# KiCad board PANEL_DRY_ELEC_6CH_THIN.kicad_pcb
title: ELectrodes; date: 2023-12-25; rev: 1.0; company: Aightech
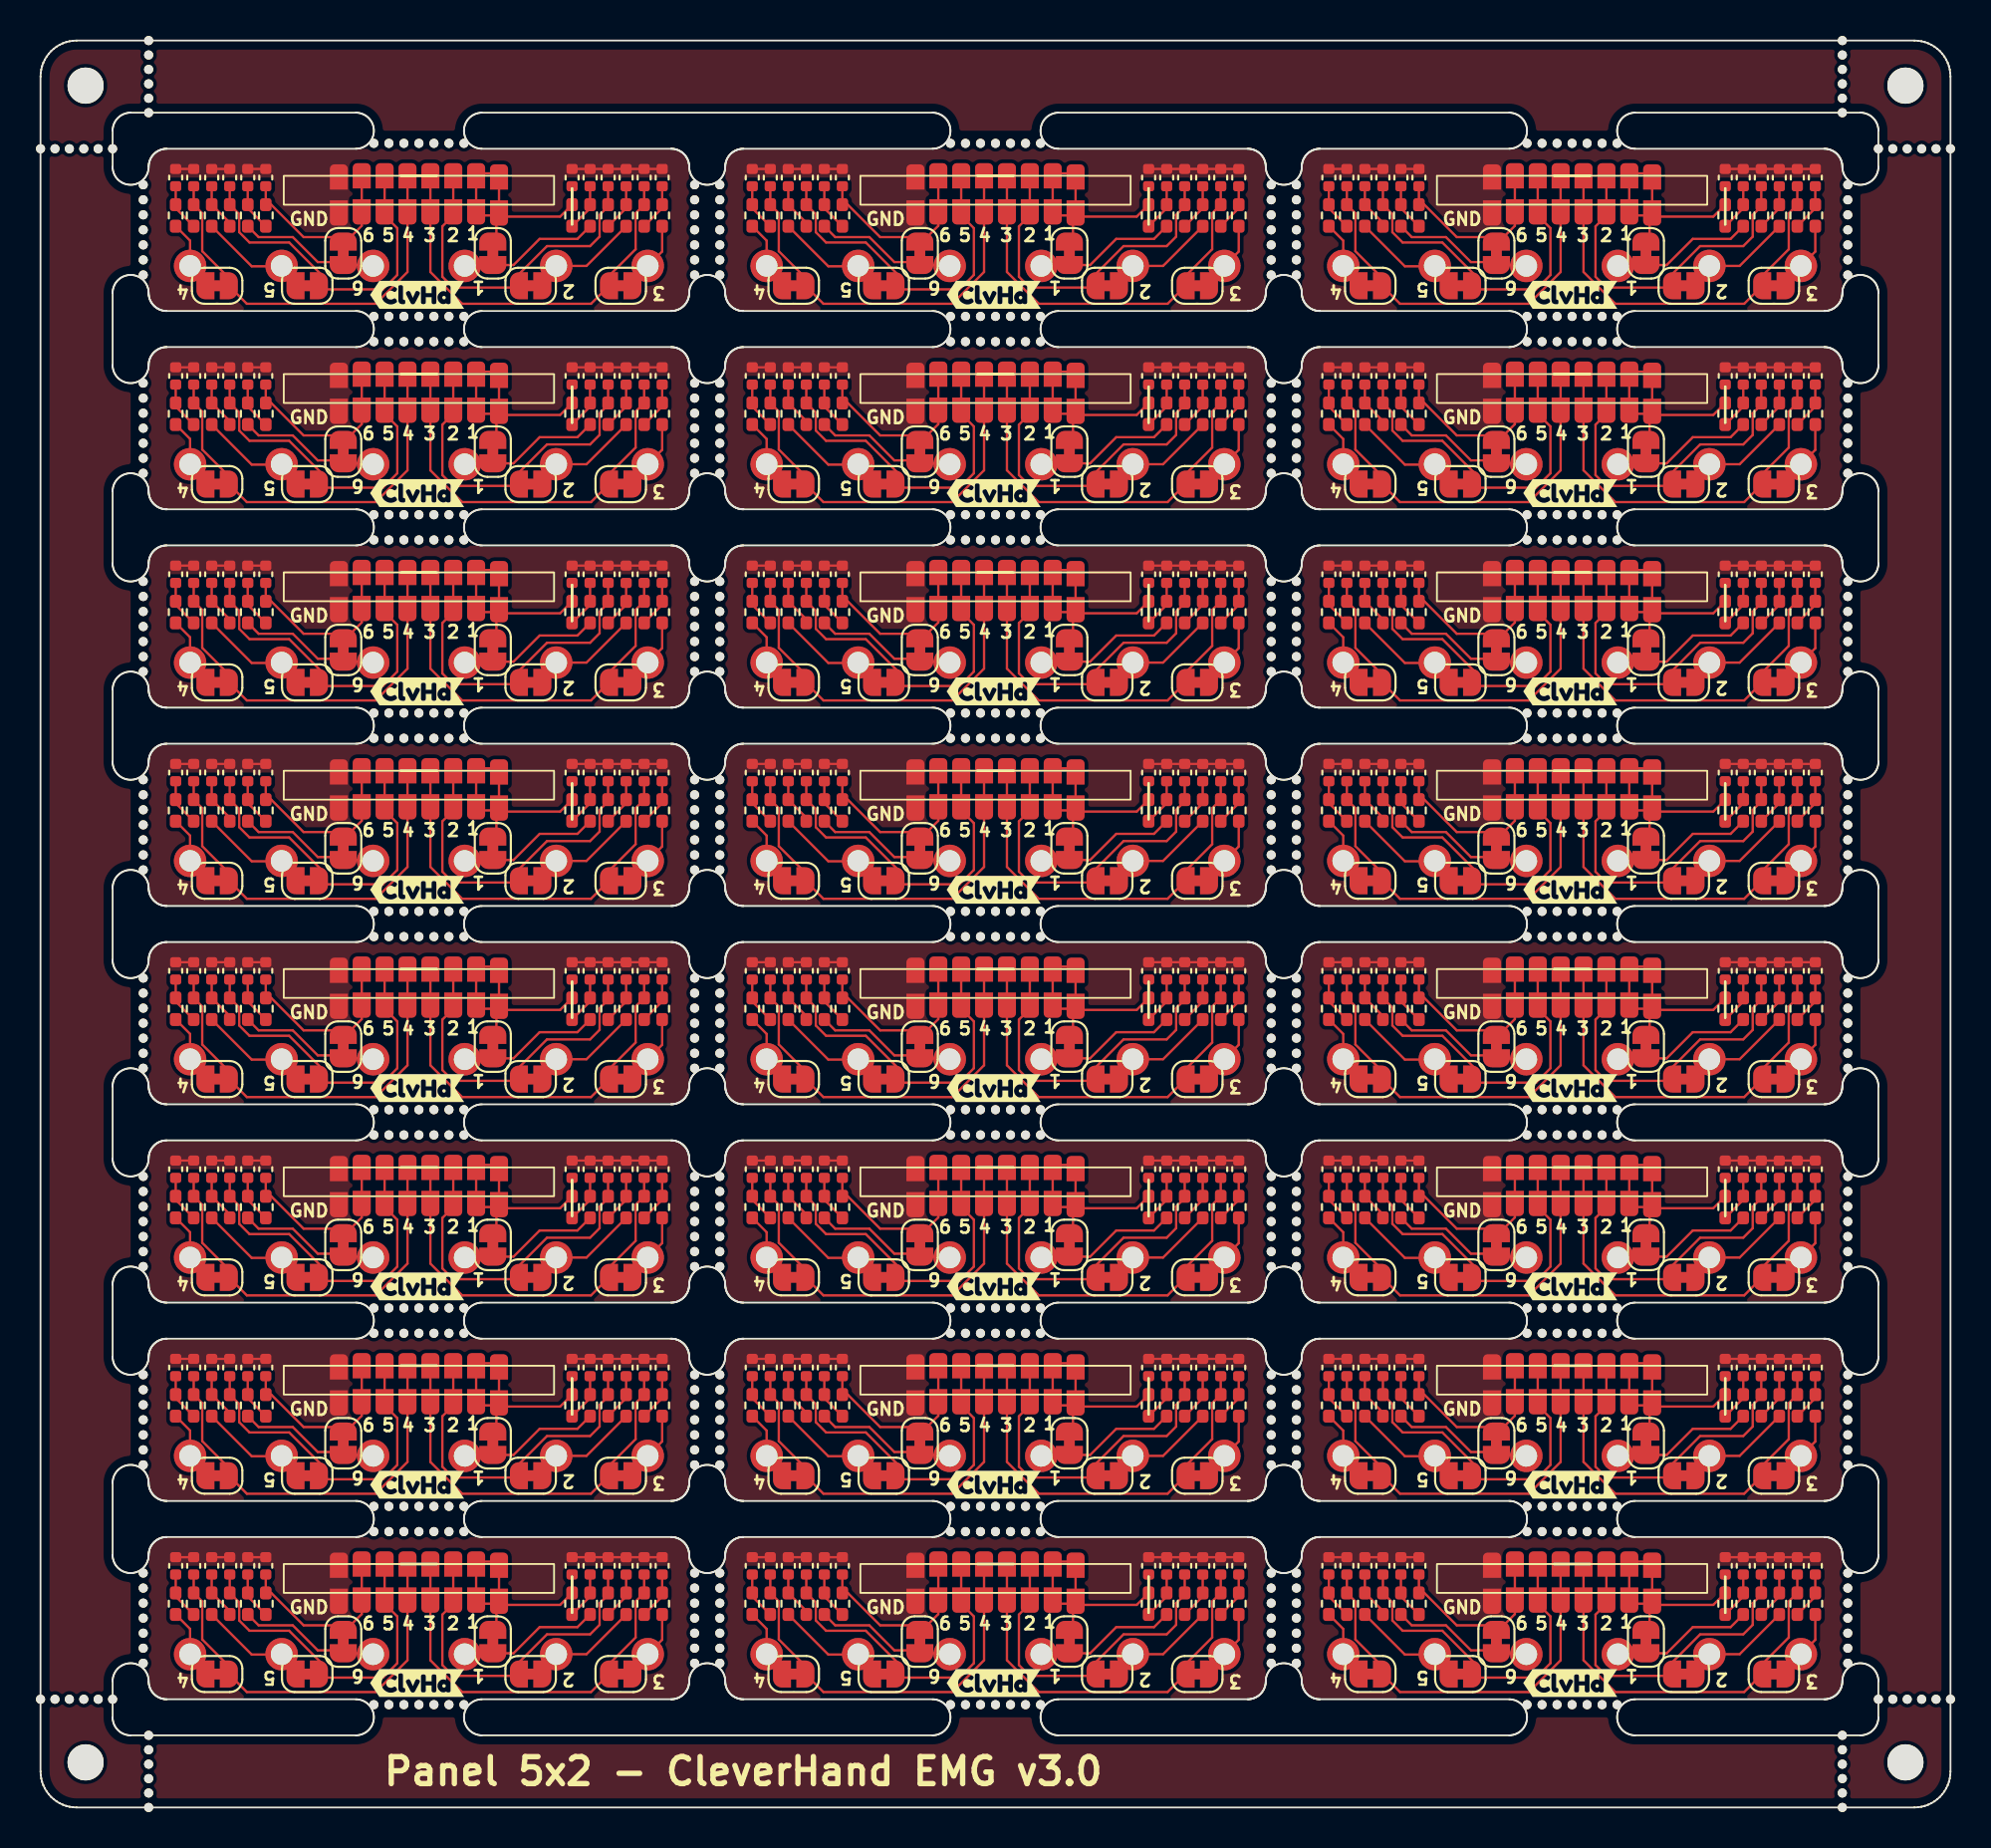
[diagram p0: board, top side]
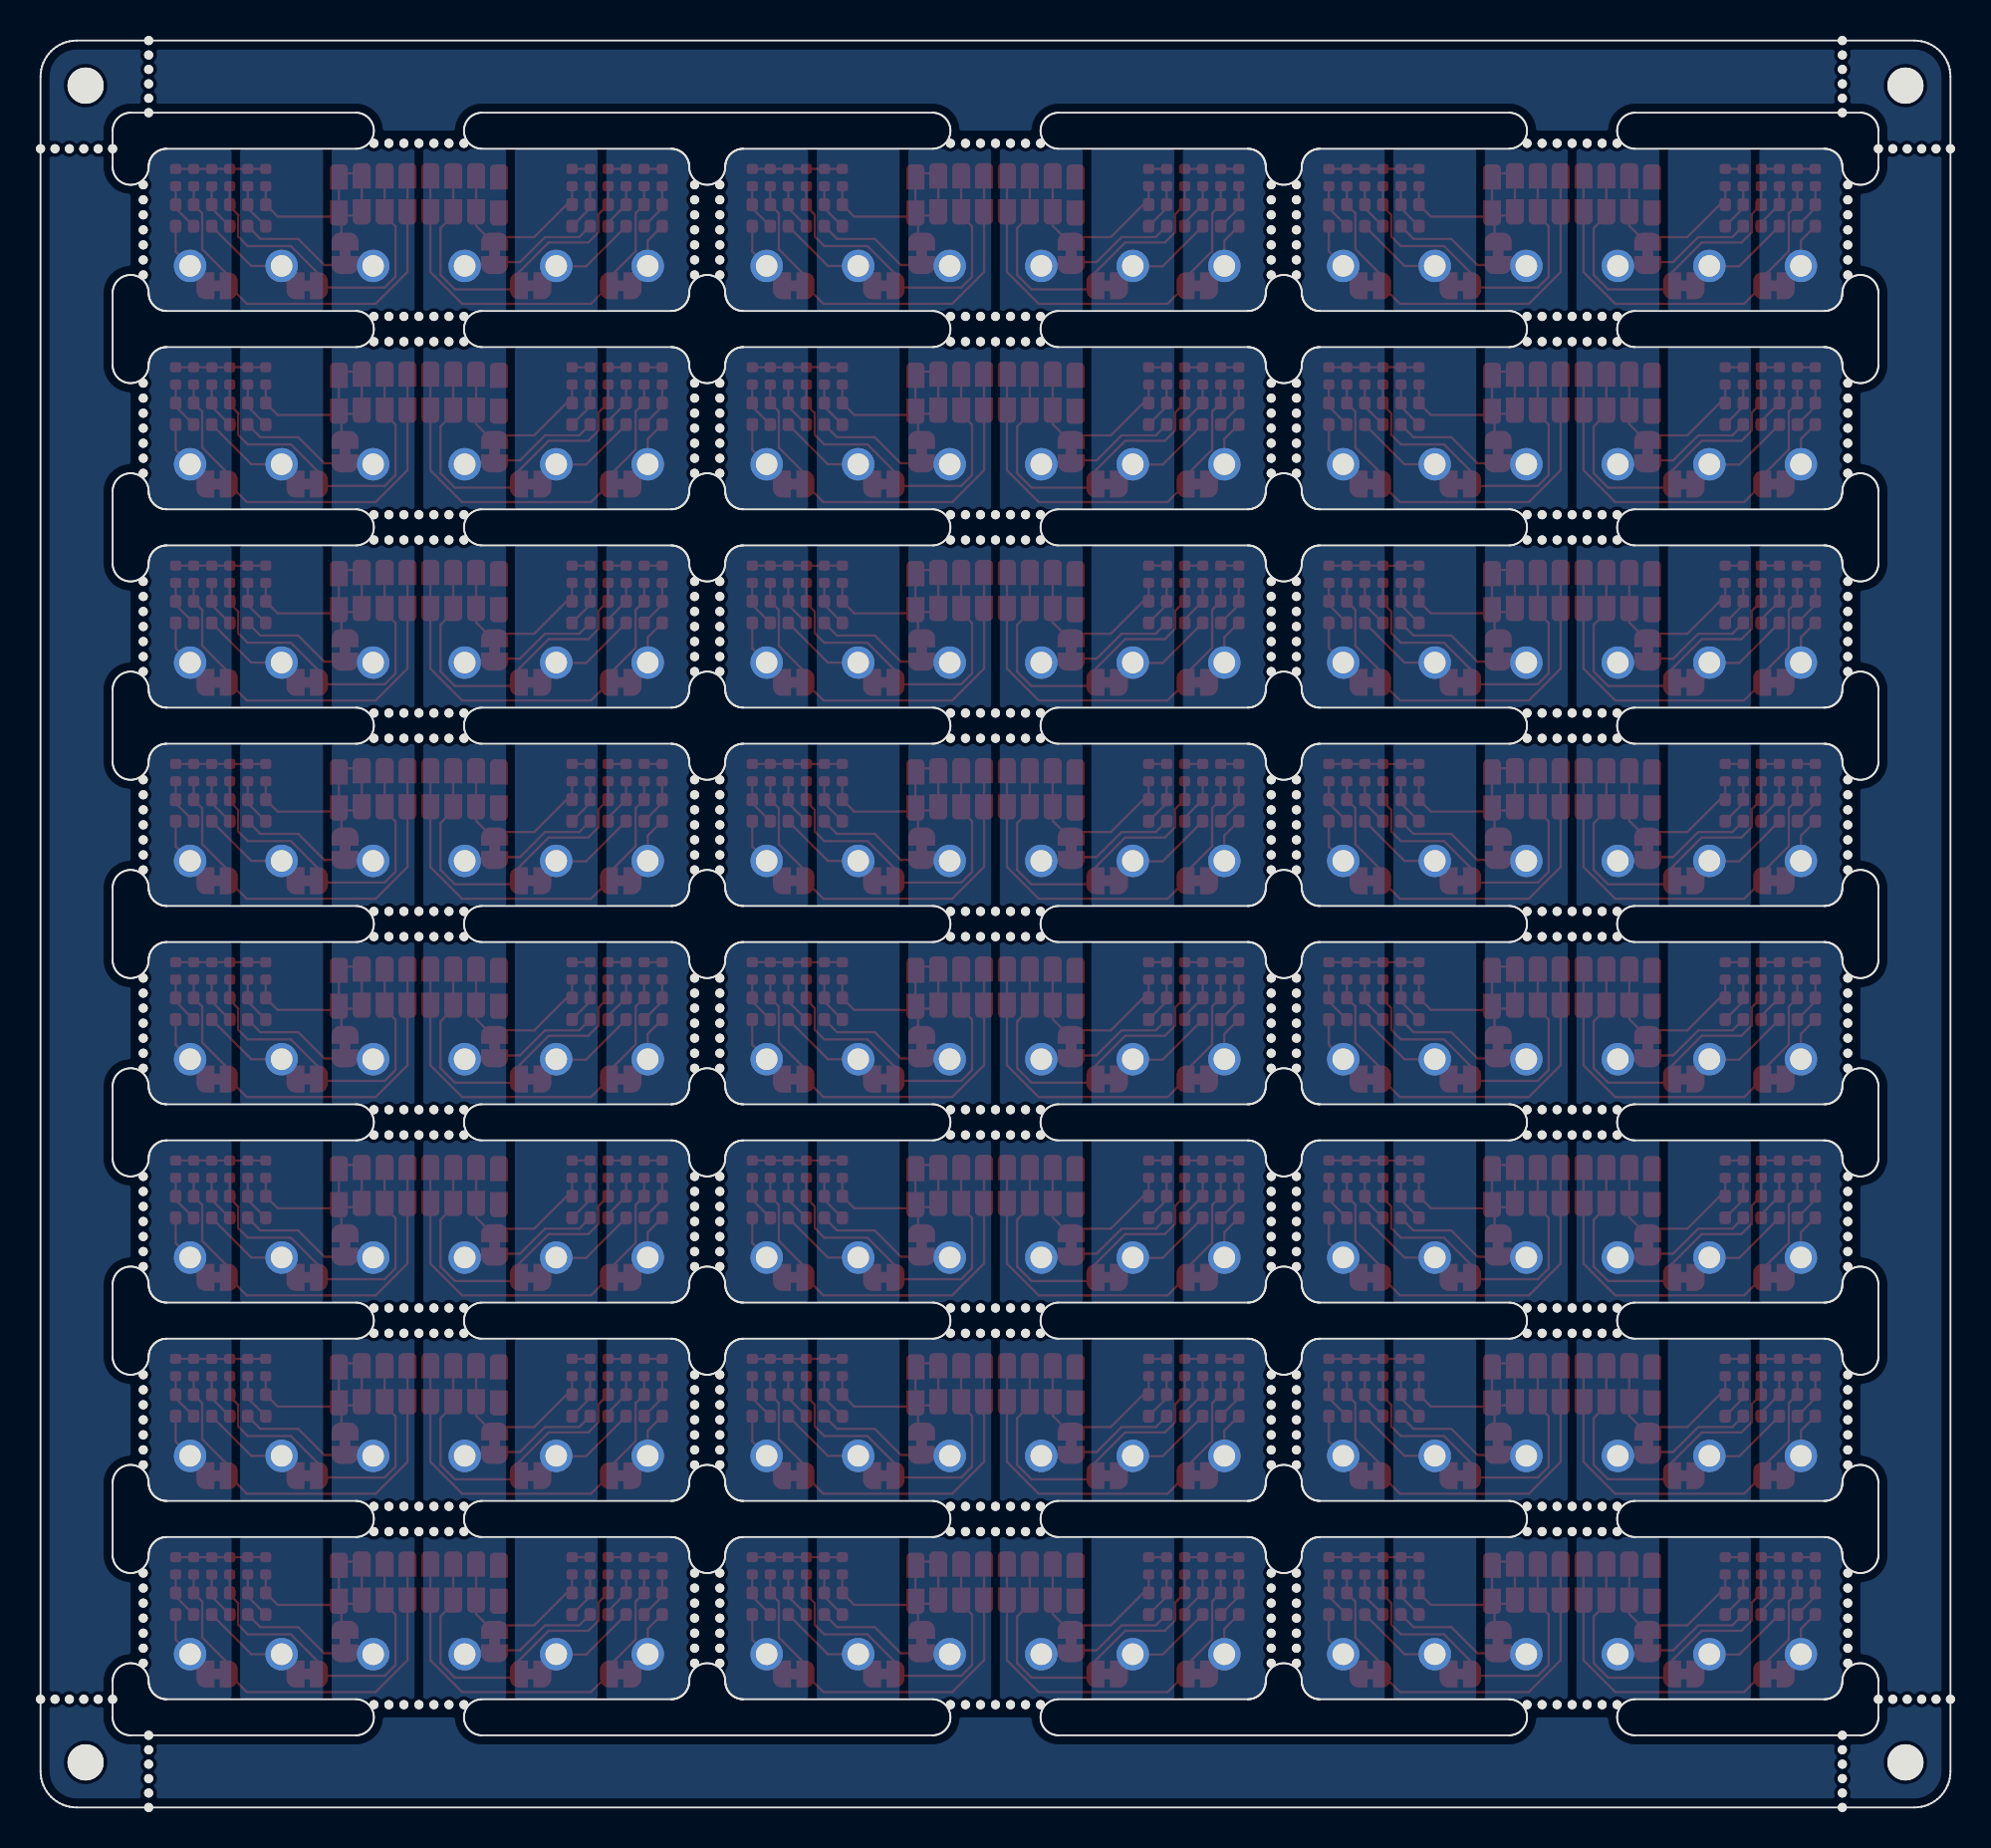
[diagram p1: board, bottom side, seen from below]

Outline 106 x 98 mm; copper layers: Top, In1.Cu, In2.Cu, Bottom. Coordinates in mm from the lower left corner of the outline.
Stack: Top 0.035mm / dielectric 0.1mm FR4 er 4.5 / In1.Cu 0.035mm / dielectric 0.44mm FR4 er 4.5 / In2.Cu 0.035mm / dielectric 0.1mm FR4 er 4.5 / Bottom 0.035mm

## Placement (name value [footprint] x y rotation side)
C1  C  [C_0402_1005Metric]  94.5 57.4 90 top
C1#2  C  [C_0402_1005Metric]  30.5 68.4 90 top
C1#3  C  [C_0402_1005Metric]  62.5 68.4 90 top
C1#4  C  [C_0402_1005Metric]  62.5 57.4 90 top
C1#5  C  [C_0402_1005Metric]  94.5 68.4 90 top
C1#6  C  [C_0402_1005Metric]  94.5 13.4 90 top
C1#7  C  [C_0402_1005Metric]  62.5 90.4 90 top
C1#8  C  [C_0402_1005Metric]  30.5 57.4 90 top
C1#9  C  [C_0402_1005Metric]  62.5 35.4 90 top
C1#10  C  [C_0402_1005Metric]  30.5 13.4 90 top
C1#11  C  [C_0402_1005Metric]  94.5 46.4 90 top
C1#12  C  [C_0402_1005Metric]  30.5 46.4 90 top
C1#13  C  [C_0402_1005Metric]  62.5 24.4 90 top
C1#14  C  [C_0402_1005Metric]  30.5 90.4 90 top
C1#15  C  [C_0402_1005Metric]  30.5 79.4 90 top
C1#16  C  [C_0402_1005Metric]  94.5 79.4 90 top
C1#17  C  [C_0402_1005Metric]  94.5 35.4 90 top
C1#18  C  [C_0402_1005Metric]  62.5 79.4 90 top
C1#19  C  [C_0402_1005Metric]  62.5 13.4 90 top
C1#20  C  [C_0402_1005Metric]  94.5 24.4 90 top
C1#21  C  [C_0402_1005Metric]  30.5 24.4 90 top
C1#22  C  [C_0402_1005Metric]  30.5 35.4 90 top
C1#23  C  [C_0402_1005Metric]  62.5 46.4 90 top
C1#24  C  [C_0402_1005Metric]  94.5 90.4 90 top
C2  C  [C_0402_1005Metric]  29.5 57.4 90 top
C2#2  C  [C_0402_1005Metric]  93.5 90.4 90 top
C2#3  C  [C_0402_1005Metric]  29.5 68.4 90 top
C2#4  C  [C_0402_1005Metric]  29.5 13.4 90 top
C2#5  C  [C_0402_1005Metric]  61.5 79.4 90 top
C2#6  C  [C_0402_1005Metric]  93.5 13.4 90 top
C2#7  C  [C_0402_1005Metric]  29.5 90.4 90 top
C2#8  C  [C_0402_1005Metric]  29.5 24.4 90 top
C2#9  C  [C_0402_1005Metric]  61.5 57.4 90 top
C2#10  C  [C_0402_1005Metric]  29.5 46.4 90 top
C2#11  C  [C_0402_1005Metric]  61.5 46.4 90 top
C2#12  C  [C_0402_1005Metric]  61.5 13.4 90 top
C2#13  C  [C_0402_1005Metric]  93.5 46.4 90 top
C2#14  C  [C_0402_1005Metric]  29.5 35.4 90 top
C2#15  C  [C_0402_1005Metric]  93.5 35.4 90 top
C2#16  C  [C_0402_1005Metric]  29.5 79.4 90 top
C2#17  C  [C_0402_1005Metric]  61.5 24.4 90 top
C2#18  C  [C_0402_1005Metric]  61.5 68.4 90 top
C2#19  C  [C_0402_1005Metric]  93.5 68.4 90 top
C2#20  C  [C_0402_1005Metric]  93.5 24.4 90 top
C2#21  C  [C_0402_1005Metric]  61.5 90.4 90 top
C2#22  C  [C_0402_1005Metric]  61.5 35.4 90 top
C2#23  C  [C_0402_1005Metric]  93.5 57.4 90 top
C2#24  C  [C_0402_1005Metric]  93.5 79.4 90 top
C3  C  [C_0402_1005Metric]  32.5 79.4 90 top
C3#2  C  [C_0402_1005Metric]  64.5 68.4 90 top
C3#3  C  [C_0402_1005Metric]  64.5 57.4 90 top
C3#4  C  [C_0402_1005Metric]  64.5 79.4 90 top
C3#5  C  [C_0402_1005Metric]  96.5 68.4 90 top
C3#6  C  [C_0402_1005Metric]  64.5 24.4 90 top
C3#7  C  [C_0402_1005Metric]  64.5 90.4 90 top
C3#8  C  [C_0402_1005Metric]  32.5 57.4 90 top
C3#9  C  [C_0402_1005Metric]  96.5 57.4 90 top
C3#10  C  [C_0402_1005Metric]  64.5 13.4 90 top
C3#11  C  [C_0402_1005Metric]  96.5 79.4 90 top
C3#12  C  [C_0402_1005Metric]  32.5 24.4 90 top
C3#13  C  [C_0402_1005Metric]  32.5 68.4 90 top
C3#14  C  [C_0402_1005Metric]  32.5 90.4 90 top
C3#15  C  [C_0402_1005Metric]  32.5 46.4 90 top
C3#16  C  [C_0402_1005Metric]  64.5 46.4 90 top
C3#17  C  [C_0402_1005Metric]  96.5 46.4 90 top
C3#18  C  [C_0402_1005Metric]  32.5 13.4 90 top
C3#19  C  [C_0402_1005Metric]  96.5 90.4 90 top
C3#20  C  [C_0402_1005Metric]  96.5 24.4 90 top
C3#21  C  [C_0402_1005Metric]  32.5 35.4 90 top
C3#22  C  [C_0402_1005Metric]  96.5 13.4 90 top
C3#23  C  [C_0402_1005Metric]  96.5 35.4 90 top
C3#24  C  [C_0402_1005Metric]  64.5 35.4 90 top
C4  C  [C_0402_1005Metric]  31.5 90.4 90 top
C4#2  C  [C_0402_1005Metric]  31.5 46.4 90 top
C4#3  C  [C_0402_1005Metric]  63.5 46.4 90 top
C4#4  C  [C_0402_1005Metric]  95.5 90.4 90 top
C4#5  C  [C_0402_1005Metric]  63.5 68.4 90 top
C4#6  C  [C_0402_1005Metric]  31.5 13.4 90 top
C4#7  C  [C_0402_1005Metric]  95.5 35.4 90 top
C4#8  C  [C_0402_1005Metric]  31.5 57.4 90 top
C4#9  C  [C_0402_1005Metric]  31.5 35.4 90 top
C4#10  C  [C_0402_1005Metric]  31.5 24.4 90 top
C4#11  C  [C_0402_1005Metric]  63.5 79.4 90 top
C4#12  C  [C_0402_1005Metric]  31.5 79.4 90 top
C4#13  C  [C_0402_1005Metric]  95.5 13.4 90 top
C4#14  C  [C_0402_1005Metric]  63.5 57.4 90 top
C4#15  C  [C_0402_1005Metric]  63.5 13.4 90 top
C4#16  C  [C_0402_1005Metric]  95.5 24.4 90 top
C4#17  C  [C_0402_1005Metric]  95.5 68.4 90 top
C4#18  C  [C_0402_1005Metric]  63.5 35.4 90 top
C4#19  C  [C_0402_1005Metric]  95.5 79.4 90 top
C4#20  C  [C_0402_1005Metric]  63.5 90.4 90 top
C4#21  C  [C_0402_1005Metric]  95.5 46.4 90 top
C4#22  C  [C_0402_1005Metric]  95.5 57.4 90 top
C4#23  C  [C_0402_1005Metric]  31.5 68.4 90 top
C4#24  C  [C_0402_1005Metric]  63.5 24.4 90 top
C5  C  [C_0402_1005Metric]  98.5 68.4 90 top
C5#2  C  [C_0402_1005Metric]  98.5 35.4 90 top
C5#3  C  [C_0402_1005Metric]  34.5 90.4 90 top
C5#4  C  [C_0402_1005Metric]  98.5 79.4 90 top
C5#5  C  [C_0402_1005Metric]  66.5 35.4 90 top
C5#6  C  [C_0402_1005Metric]  98.5 13.4 90 top
C5#7  C  [C_0402_1005Metric]  66.5 79.4 90 top
C5#8  C  [C_0402_1005Metric]  34.5 57.4 90 top
C5#9  C  [C_0402_1005Metric]  66.5 68.4 90 top
C5#10  C  [C_0402_1005Metric]  34.5 24.4 90 top
C5#11  C  [C_0402_1005Metric]  34.5 46.4 90 top
C5#12  C  [C_0402_1005Metric]  66.5 57.4 90 top
C5#13  C  [C_0402_1005Metric]  66.5 46.4 90 top
C5#14  C  [C_0402_1005Metric]  66.5 13.4 90 top
C5#15  C  [C_0402_1005Metric]  98.5 46.4 90 top
C5#16  C  [C_0402_1005Metric]  66.5 24.4 90 top
C5#17  C  [C_0402_1005Metric]  98.5 90.4 90 top
C5#18  C  [C_0402_1005Metric]  98.5 57.4 90 top
C5#19  C  [C_0402_1005Metric]  66.5 90.4 90 top
C5#20  C  [C_0402_1005Metric]  34.5 68.4 90 top
C5#21  C  [C_0402_1005Metric]  34.5 79.4 90 top
C5#22  C  [C_0402_1005Metric]  34.5 35.4 90 top
C5#23  C  [C_0402_1005Metric]  98.5 24.4 90 top
C5#24  C  [C_0402_1005Metric]  34.5 13.4 90 top
C6  C  [C_0402_1005Metric]  65.5 35.4 90 top
C6#2  C  [C_0402_1005Metric]  65.5 90.4 90 top
C6#3  C  [C_0402_1005Metric]  33.5 35.4 90 top
C6#4  C  [C_0402_1005Metric]  65.5 24.4 90 top
C6#5  C  [C_0402_1005Metric]  33.5 46.4 90 top
C6#6  C  [C_0402_1005Metric]  97.5 68.4 90 top
C6#7  C  [C_0402_1005Metric]  65.5 57.4 90 top
C6#8  C  [C_0402_1005Metric]  33.5 68.4 90 top
C6#9  C  [C_0402_1005Metric]  97.5 24.4 90 top
C6#10  C  [C_0402_1005Metric]  97.5 79.4 90 top
C6#11  C  [C_0402_1005Metric]  33.5 13.4 90 top
C6#12  C  [C_0402_1005Metric]  65.5 13.4 90 top
C6#13  C  [C_0402_1005Metric]  65.5 46.4 90 top
C6#14  C  [C_0402_1005Metric]  65.5 68.4 90 top
C6#15  C  [C_0402_1005Metric]  65.5 79.4 90 top
C6#16  C  [C_0402_1005Metric]  97.5 57.4 90 top
C6#17  C  [C_0402_1005Metric]  97.5 90.4 90 top
C6#18  C  [C_0402_1005Metric]  97.5 35.4 90 top
C6#19  C  [C_0402_1005Metric]  33.5 57.4 90 top
C6#20  C  [C_0402_1005Metric]  33.5 79.4 90 top
C6#21  C  [C_0402_1005Metric]  97.5 46.4 90 top
C6#22  C  [C_0402_1005Metric]  33.5 90.4 90 top
C6#23  C  [C_0402_1005Metric]  33.5 24.4 90 top
C6#24  C  [C_0402_1005Metric]  97.5 13.4 90 top
C7  C  [C_0402_1005Metric]  71.5 35.4 90 top
C7#2  C  [C_0402_1005Metric]  39.5 79.4 90 top
C7#3  C  [C_0402_1005Metric]  7.5 90.4 90 top
C7#4  C  [C_0402_1005Metric]  39.5 57.4 90 top
C7#5  C  [C_0402_1005Metric]  71.5 90.4 90 top
C7#6  C  [C_0402_1005Metric]  7.5 79.4 90 top
C7#7  C  [C_0402_1005Metric]  7.5 35.4 90 top
C7#8  C  [C_0402_1005Metric]  71.5 68.4 90 top
C7#9  C  [C_0402_1005Metric]  7.5 68.4 90 top
C7#10  C  [C_0402_1005Metric]  39.5 35.4 90 top
C7#11  C  [C_0402_1005Metric]  7.5 13.4 90 top
C7#12  C  [C_0402_1005Metric]  39.5 13.4 90 top
C7#13  C  [C_0402_1005Metric]  71.5 57.4 90 top
C7#14  C  [C_0402_1005Metric]  71.5 46.4 90 top
C7#15  C  [C_0402_1005Metric]  71.5 13.4 90 top
C7#16  C  [C_0402_1005Metric]  7.5 57.4 90 top
C7#17  C  [C_0402_1005Metric]  7.5 24.4 90 top
C7#18  C  [C_0402_1005Metric]  39.5 68.4 90 top
C7#19  C  [C_0402_1005Metric]  71.5 24.4 90 top
C7#20  C  [C_0402_1005Metric]  39.5 90.4 90 top
C7#21  C  [C_0402_1005Metric]  71.5 79.4 90 top
C7#22  C  [C_0402_1005Metric]  7.5 46.4 90 top
C7#23  C  [C_0402_1005Metric]  39.5 24.4 90 top
C7#24  C  [C_0402_1005Metric]  39.5 46.4 90 top
C8  C  [C_0402_1005Metric]  8.5 79.4 90 top
C8#2  C  [C_0402_1005Metric]  72.5 79.4 90 top
C8#3  C  [C_0402_1005Metric]  40.5 35.4 90 top
C8#4  C  [C_0402_1005Metric]  72.5 57.4 90 top
C8#5  C  [C_0402_1005Metric]  8.5 24.4 90 top
C8#6  C  [C_0402_1005Metric]  40.5 13.4 90 top
C8#7  C  [C_0402_1005Metric]  8.5 90.4 90 top
C8#8  C  [C_0402_1005Metric]  40.5 90.4 90 top
C8#9  C  [C_0402_1005Metric]  8.5 35.4 90 top
C8#10  C  [C_0402_1005Metric]  72.5 24.4 90 top
C8#11  C  [C_0402_1005Metric]  8.5 46.4 90 top
C8#12  C  [C_0402_1005Metric]  72.5 35.4 90 top
C8#13  C  [C_0402_1005Metric]  40.5 57.4 90 top
C8#14  C  [C_0402_1005Metric]  8.5 13.4 90 top
C8#15  C  [C_0402_1005Metric]  72.5 46.4 90 top
C8#16  C  [C_0402_1005Metric]  72.5 13.4 90 top
C8#17  C  [C_0402_1005Metric]  72.5 90.4 90 top
C8#18  C  [C_0402_1005Metric]  40.5 46.4 90 top
C8#19  C  [C_0402_1005Metric]  72.5 68.4 90 top
C8#20  C  [C_0402_1005Metric]  8.5 57.4 90 top
C8#21  C  [C_0402_1005Metric]  40.5 68.4 90 top
C8#22  C  [C_0402_1005Metric]  40.5 24.4 90 top
C8#23  C  [C_0402_1005Metric]  8.5 68.4 90 top
C8#24  C  [C_0402_1005Metric]  40.5 79.4 90 top
C9  C  [C_0402_1005Metric]  73.5 57.4 90 top
C9#2  C  [C_0402_1005Metric]  41.5 79.4 90 top
C9#3  C  [C_0402_1005Metric]  41.5 57.4 90 top
C9#4  C  [C_0402_1005Metric]  9.5 79.4 90 top
C9#5  C  [C_0402_1005Metric]  41.5 46.4 90 top
C9#6  C  [C_0402_1005Metric]  73.5 13.4 90 top
C9#7  C  [C_0402_1005Metric]  41.5 35.4 90 top
C9#8  C  [C_0402_1005Metric]  9.5 57.4 90 top
C9#9  C  [C_0402_1005Metric]  73.5 90.4 90 top
C9#10  C  [C_0402_1005Metric]  73.5 35.4 90 top
C9#11  C  [C_0402_1005Metric]  41.5 68.4 90 top
C9#12  C  [C_0402_1005Metric]  73.5 46.4 90 top
C9#13  C  [C_0402_1005Metric]  41.5 13.4 90 top
C9#14  C  [C_0402_1005Metric]  73.5 68.4 90 top
C9#15  C  [C_0402_1005Metric]  9.5 24.4 90 top
C9#16  C  [C_0402_1005Metric]  41.5 90.4 90 top
C9#17  C  [C_0402_1005Metric]  9.5 68.4 90 top
C9#18  C  [C_0402_1005Metric]  9.5 35.4 90 top
C9#19  C  [C_0402_1005Metric]  73.5 79.4 90 top
C9#20  C  [C_0402_1005Metric]  9.5 46.4 90 top
C9#21  C  [C_0402_1005Metric]  9.5 13.4 90 top
C9#22  C  [C_0402_1005Metric]  41.5 24.4 90 top
C9#23  C  [C_0402_1005Metric]  9.5 90.4 90 top
C9#24  C  [C_0402_1005Metric]  73.5 24.4 90 top
C10  C  [C_0402_1005Metric]  74.5 57.4 90 top
C10#2  C  [C_0402_1005Metric]  42.5 90.4 90 top
C10#3  C  [C_0402_1005Metric]  74.5 79.4 90 top
C10#4  C  [C_0402_1005Metric]  42.5 79.4 90 top
C10#5  C  [C_0402_1005Metric]  10.5 13.4 90 top
C10#6  C  [C_0402_1005Metric]  42.5 68.4 90 top
C10#7  C  [C_0402_1005Metric]  10.5 46.4 90 top
C10#8  C  [C_0402_1005Metric]  10.5 79.4 90 top
C10#9  C  [C_0402_1005Metric]  42.5 13.4 90 top
C10#10  C  [C_0402_1005Metric]  10.5 90.4 90 top
C10#11  C  [C_0402_1005Metric]  42.5 35.4 90 top
C10#12  C  [C_0402_1005Metric]  10.5 57.4 90 top
C10#13  C  [C_0402_1005Metric]  42.5 57.4 90 top
C10#14  C  [C_0402_1005Metric]  42.5 46.4 90 top
C10#15  C  [C_0402_1005Metric]  74.5 13.4 90 top
C10#16  C  [C_0402_1005Metric]  42.5 24.4 90 top
C10#17  C  [C_0402_1005Metric]  10.5 68.4 90 top
C10#18  C  [C_0402_1005Metric]  74.5 24.4 90 top
C10#19  C  [C_0402_1005Metric]  10.5 24.4 90 top
C10#20  C  [C_0402_1005Metric]  74.5 68.4 90 top
C10#21  C  [C_0402_1005Metric]  74.5 35.4 90 top
C10#22  C  [C_0402_1005Metric]  10.5 35.4 90 top
C10#23  C  [C_0402_1005Metric]  74.5 46.4 90 top
C10#24  C  [C_0402_1005Metric]  74.5 90.4 90 top
C11  C  [C_0402_1005Metric]  75.5 35.4 90 top
C11#2  C  [C_0402_1005Metric]  43.5 13.4 90 top
C11#3  C  [C_0402_1005Metric]  75.5 46.4 90 top
C11#4  C  [C_0402_1005Metric]  75.5 24.4 90 top
C11#5  C  [C_0402_1005Metric]  43.5 35.4 90 top
C11#6  C  [C_0402_1005Metric]  43.5 68.4 90 top
C11#7  C  [C_0402_1005Metric]  43.5 90.4 90 top
C11#8  C  [C_0402_1005Metric]  11.5 35.4 90 top
C11#9  C  [C_0402_1005Metric]  11.5 90.4 90 top
C11#10  C  [C_0402_1005Metric]  11.5 24.4 90 top
C11#11  C  [C_0402_1005Metric]  43.5 57.4 90 top
C11#12  C  [C_0402_1005Metric]  11.5 79.4 90 top
C11#13  C  [C_0402_1005Metric]  43.5 24.4 90 top
C11#14  C  [C_0402_1005Metric]  11.5 46.4 90 top
C11#15  C  [C_0402_1005Metric]  43.5 46.4 90 top
C11#16  C  [C_0402_1005Metric]  75.5 68.4 90 top
C11#17  C  [C_0402_1005Metric]  11.5 68.4 90 top
C11#18  C  [C_0402_1005Metric]  75.5 13.4 90 top
C11#19  C  [C_0402_1005Metric]  75.5 79.4 90 top
C11#20  C  [C_0402_1005Metric]  11.5 13.4 90 top
C11#21  C  [C_0402_1005Metric]  75.5 57.4 90 top
C11#22  C  [C_0402_1005Metric]  11.5 57.4 90 top
C11#23  C  [C_0402_1005Metric]  43.5 79.4 90 top
C11#24  C  [C_0402_1005Metric]  75.5 90.4 90 top
C12  C  [C_0402_1005Metric]  76.5 13.4 90 top
C12#2  C  [C_0402_1005Metric]  44.5 90.4 90 top
C12#3  C  [C_0402_1005Metric]  12.5 35.4 90 top
C12#4  C  [C_0402_1005Metric]  76.5 79.4 90 top
C12#5  C  [C_0402_1005Metric]  12.5 90.4 90 top
C12#6  C  [C_0402_1005Metric]  76.5 46.4 90 top
C12#7  C  [C_0402_1005Metric]  12.5 68.4 90 top
C12#8  C  [C_0402_1005Metric]  76.5 90.4 90 top
C12#9  C  [C_0402_1005Metric]  44.5 46.4 90 top
C12#10  C  [C_0402_1005Metric]  76.5 24.4 90 top
C12#11  C  [C_0402_1005Metric]  12.5 57.4 90 top
C12#12  C  [C_0402_1005Metric]  12.5 13.4 90 top
C12#13  C  [C_0402_1005Metric]  12.5 79.4 90 top
C12#14  C  [C_0402_1005Metric]  44.5 68.4 90 top
C12#15  C  [C_0402_1005Metric]  76.5 35.4 90 top
C12#16  C  [C_0402_1005Metric]  44.5 57.4 90 top
C12#17  C  [C_0402_1005Metric]  44.5 13.4 90 top
C12#18  C  [C_0402_1005Metric]  76.5 57.4 90 top
C12#19  C  [C_0402_1005Metric]  44.5 35.4 90 top
C12#20  C  [C_0402_1005Metric]  44.5 24.4 90 top
C12#21  C  [C_0402_1005Metric]  76.5 68.4 90 top
C12#22  C  [C_0402_1005Metric]  12.5 46.4 90 top
C12#23  C  [C_0402_1005Metric]  44.5 79.4 90 top
C12#24  C  [C_0402_1005Metric]  12.5 24.4 90 top
J1  Conn_01x01_Pin  [SolderWirePad_1x01_SMD_1x2mm]  80.56 57.13 0 top
J1#2  Conn_01x01_Pin  [SolderWirePad_1x01_SMD_1x2mm]  80.56 90.14 0 top
J1#3  Conn_01x01_Pin  [SolderWirePad_1x01_SMD_1x2mm]  16.56 68.14 0 top
J1#4  Conn_01x01_Pin  [SolderWirePad_1x01_SMD_1x2mm]  80.56 13.14 0 top
J1#5  Conn_01x01_Pin  [SolderWirePad_1x01_SMD_1x2mm]  80.56 79.14 0 top
J1#6  Conn_01x01_Pin  [SolderWirePad_1x01_SMD_1x2mm]  48.56 90.14 0 top
J1#7  Conn_01x01_Pin  [SolderWirePad_1x01_SMD_1x2mm]  16.56 79.14 0 top
J1#8  Conn_01x01_Pin  [SolderWirePad_1x01_SMD_1x2mm]  16.56 46.13 0 top
J1#9  Conn_01x01_Pin  [SolderWirePad_1x01_SMD_1x2mm]  16.56 90.14 0 top
J1#10  Conn_01x01_Pin  [SolderWirePad_1x01_SMD_1x2mm]  80.56 46.13 0 top
J1#11  Conn_01x01_Pin  [SolderWirePad_1x01_SMD_1x2mm]  80.56 35.13 0 top
J1#12  Conn_01x01_Pin  [SolderWirePad_1x01_SMD_1x2mm]  48.56 79.14 0 top
J1#13  Conn_01x01_Pin  [SolderWirePad_1x01_SMD_1x2mm]  48.56 57.13 0 top
J1#14  Conn_01x01_Pin  [SolderWirePad_1x01_SMD_1x2mm]  48.56 68.14 0 top
J1#15  Conn_01x01_Pin  [SolderWirePad_1x01_SMD_1x2mm]  48.56 35.13 0 top
J1#16  Conn_01x01_Pin  [SolderWirePad_1x01_SMD_1x2mm]  80.56 24.14 0 top
J1#17  Conn_01x01_Pin  [SolderWirePad_1x01_SMD_1x2mm]  48.56 13.14 0 top
J1#18  Conn_01x01_Pin  [SolderWirePad_1x01_SMD_1x2mm]  80.56 68.14 0 top
J1#19  Conn_01x01_Pin  [SolderWirePad_1x01_SMD_1x2mm]  16.56 13.14 0 top
J1#20  Conn_01x01_Pin  [SolderWirePad_1x01_SMD_1x2mm]  16.56 24.14 0 top
J1#21  Conn_01x01_Pin  [SolderWirePad_1x01_SMD_1x2mm]  48.56 46.13 0 top
J1#22  Conn_01x01_Pin  [SolderWirePad_1x01_SMD_1x2mm]  16.56 57.13 0 top
J1#23  Conn_01x01_Pin  [SolderWirePad_1x01_SMD_1x2mm]  16.56 35.13 0 top
J1#24  Conn_01x01_Pin  [SolderWirePad_1x01_SMD_1x2mm]  48.56 24.14 0 top
J2  Conn_01x01_Pin  [SolderWirePad_1x01_SMD_1x2mm]  81.83 46.2 0 top
J2#2  Conn_01x01_Pin  [SolderWirePad_1x01_SMD_1x2mm]  81.83 13.2 0 top
J2#3  Conn_01x01_Pin  [SolderWirePad_1x01_SMD_1x2mm]  17.83 90.2 0 top
J2#4  Conn_01x01_Pin  [SolderWirePad_1x01_SMD_1x2mm]  49.83 79.2 0 top
J2#5  Conn_01x01_Pin  [SolderWirePad_1x01_SMD_1x2mm]  17.83 13.2 0 top
J2#6  Conn_01x01_Pin  [SolderWirePad_1x01_SMD_1x2mm]  81.83 35.2 0 top
J2#7  Conn_01x01_Pin  [SolderWirePad_1x01_SMD_1x2mm]  17.83 35.2 0 top
J2#8  Conn_01x01_Pin  [SolderWirePad_1x01_SMD_1x2mm]  49.83 13.2 0 top
J2#9  Conn_01x01_Pin  [SolderWirePad_1x01_SMD_1x2mm]  81.83 90.2 0 top
J2#10  Conn_01x01_Pin  [SolderWirePad_1x01_SMD_1x2mm]  17.83 79.2 0 top
J2#11  Conn_01x01_Pin  [SolderWirePad_1x01_SMD_1x2mm]  17.83 68.2 0 top
J2#12  Conn_01x01_Pin  [SolderWirePad_1x01_SMD_1x2mm]  17.83 57.2 0 top
J2#13  Conn_01x01_Pin  [SolderWirePad_1x01_SMD_1x2mm]  49.83 90.2 0 top
J2#14  Conn_01x01_Pin  [SolderWirePad_1x01_SMD_1x2mm]  17.83 24.2 0 top
J2#15  Conn_01x01_Pin  [SolderWirePad_1x01_SMD_1x2mm]  49.83 35.2 0 top
J2#16  Conn_01x01_Pin  [SolderWirePad_1x01_SMD_1x2mm]  49.83 68.2 0 top
J2#17  Conn_01x01_Pin  [SolderWirePad_1x01_SMD_1x2mm]  81.83 57.2 0 top
J2#18  Conn_01x01_Pin  [SolderWirePad_1x01_SMD_1x2mm]  81.83 68.2 0 top
J2#19  Conn_01x01_Pin  [SolderWirePad_1x01_SMD_1x2mm]  49.83 46.2 0 top
J2#20  Conn_01x01_Pin  [SolderWirePad_1x01_SMD_1x2mm]  81.83 24.2 0 top
J2#21  Conn_01x01_Pin  [SolderWirePad_1x01_SMD_1x2mm]  81.83 79.2 0 top
J2#22  Conn_01x01_Pin  [SolderWirePad_1x01_SMD_1x2mm]  49.83 57.2 0 top
J2#23  Conn_01x01_Pin  [SolderWirePad_1x01_SMD_1x2mm]  49.83 24.2 0 top
J2#24  Conn_01x01_Pin  [SolderWirePad_1x01_SMD_1x2mm]  17.83 46.2 0 top
J3  Conn_01x01_Pin  [SolderWirePad_1x01_SMD_1x2mm]  51.1 24.2 0 top
J3#2  Conn_01x01_Pin  [SolderWirePad_1x01_SMD_1x2mm]  19.1 24.2 0 top
J3#3  Conn_01x01_Pin  [SolderWirePad_1x01_SMD_1x2mm]  83.1 90.2 0 top
J3#4  Conn_01x01_Pin  [SolderWirePad_1x01_SMD_1x2mm]  19.1 13.2 0 top
J3#5  Conn_01x01_Pin  [SolderWirePad_1x01_SMD_1x2mm]  19.1 79.2 0 top
J3#6  Conn_01x01_Pin  [SolderWirePad_1x01_SMD_1x2mm]  19.1 68.2 0 top
J3#7  Conn_01x01_Pin  [SolderWirePad_1x01_SMD_1x2mm]  51.1 57.2 0 top
J3#8  Conn_01x01_Pin  [SolderWirePad_1x01_SMD_1x2mm]  83.1 79.2 0 top
J3#9  Conn_01x01_Pin  [SolderWirePad_1x01_SMD_1x2mm]  19.1 46.2 0 top
J3#10  Conn_01x01_Pin  [SolderWirePad_1x01_SMD_1x2mm]  51.1 46.2 0 top
J3#11  Conn_01x01_Pin  [SolderWirePad_1x01_SMD_1x2mm]  83.1 68.2 0 top